# Altium PCB PCB1.PcbDoc (part 4 of 15)
Units mm, origin at the board's own origin, x right, y up, seen from the top; angles counter-clockwise.
Board outline 77.21 x 58.7 mm, 2 copper layers (Top Layer, Bottom Layer); 194 components, 134 nets, 25878 pads, 596 vias.
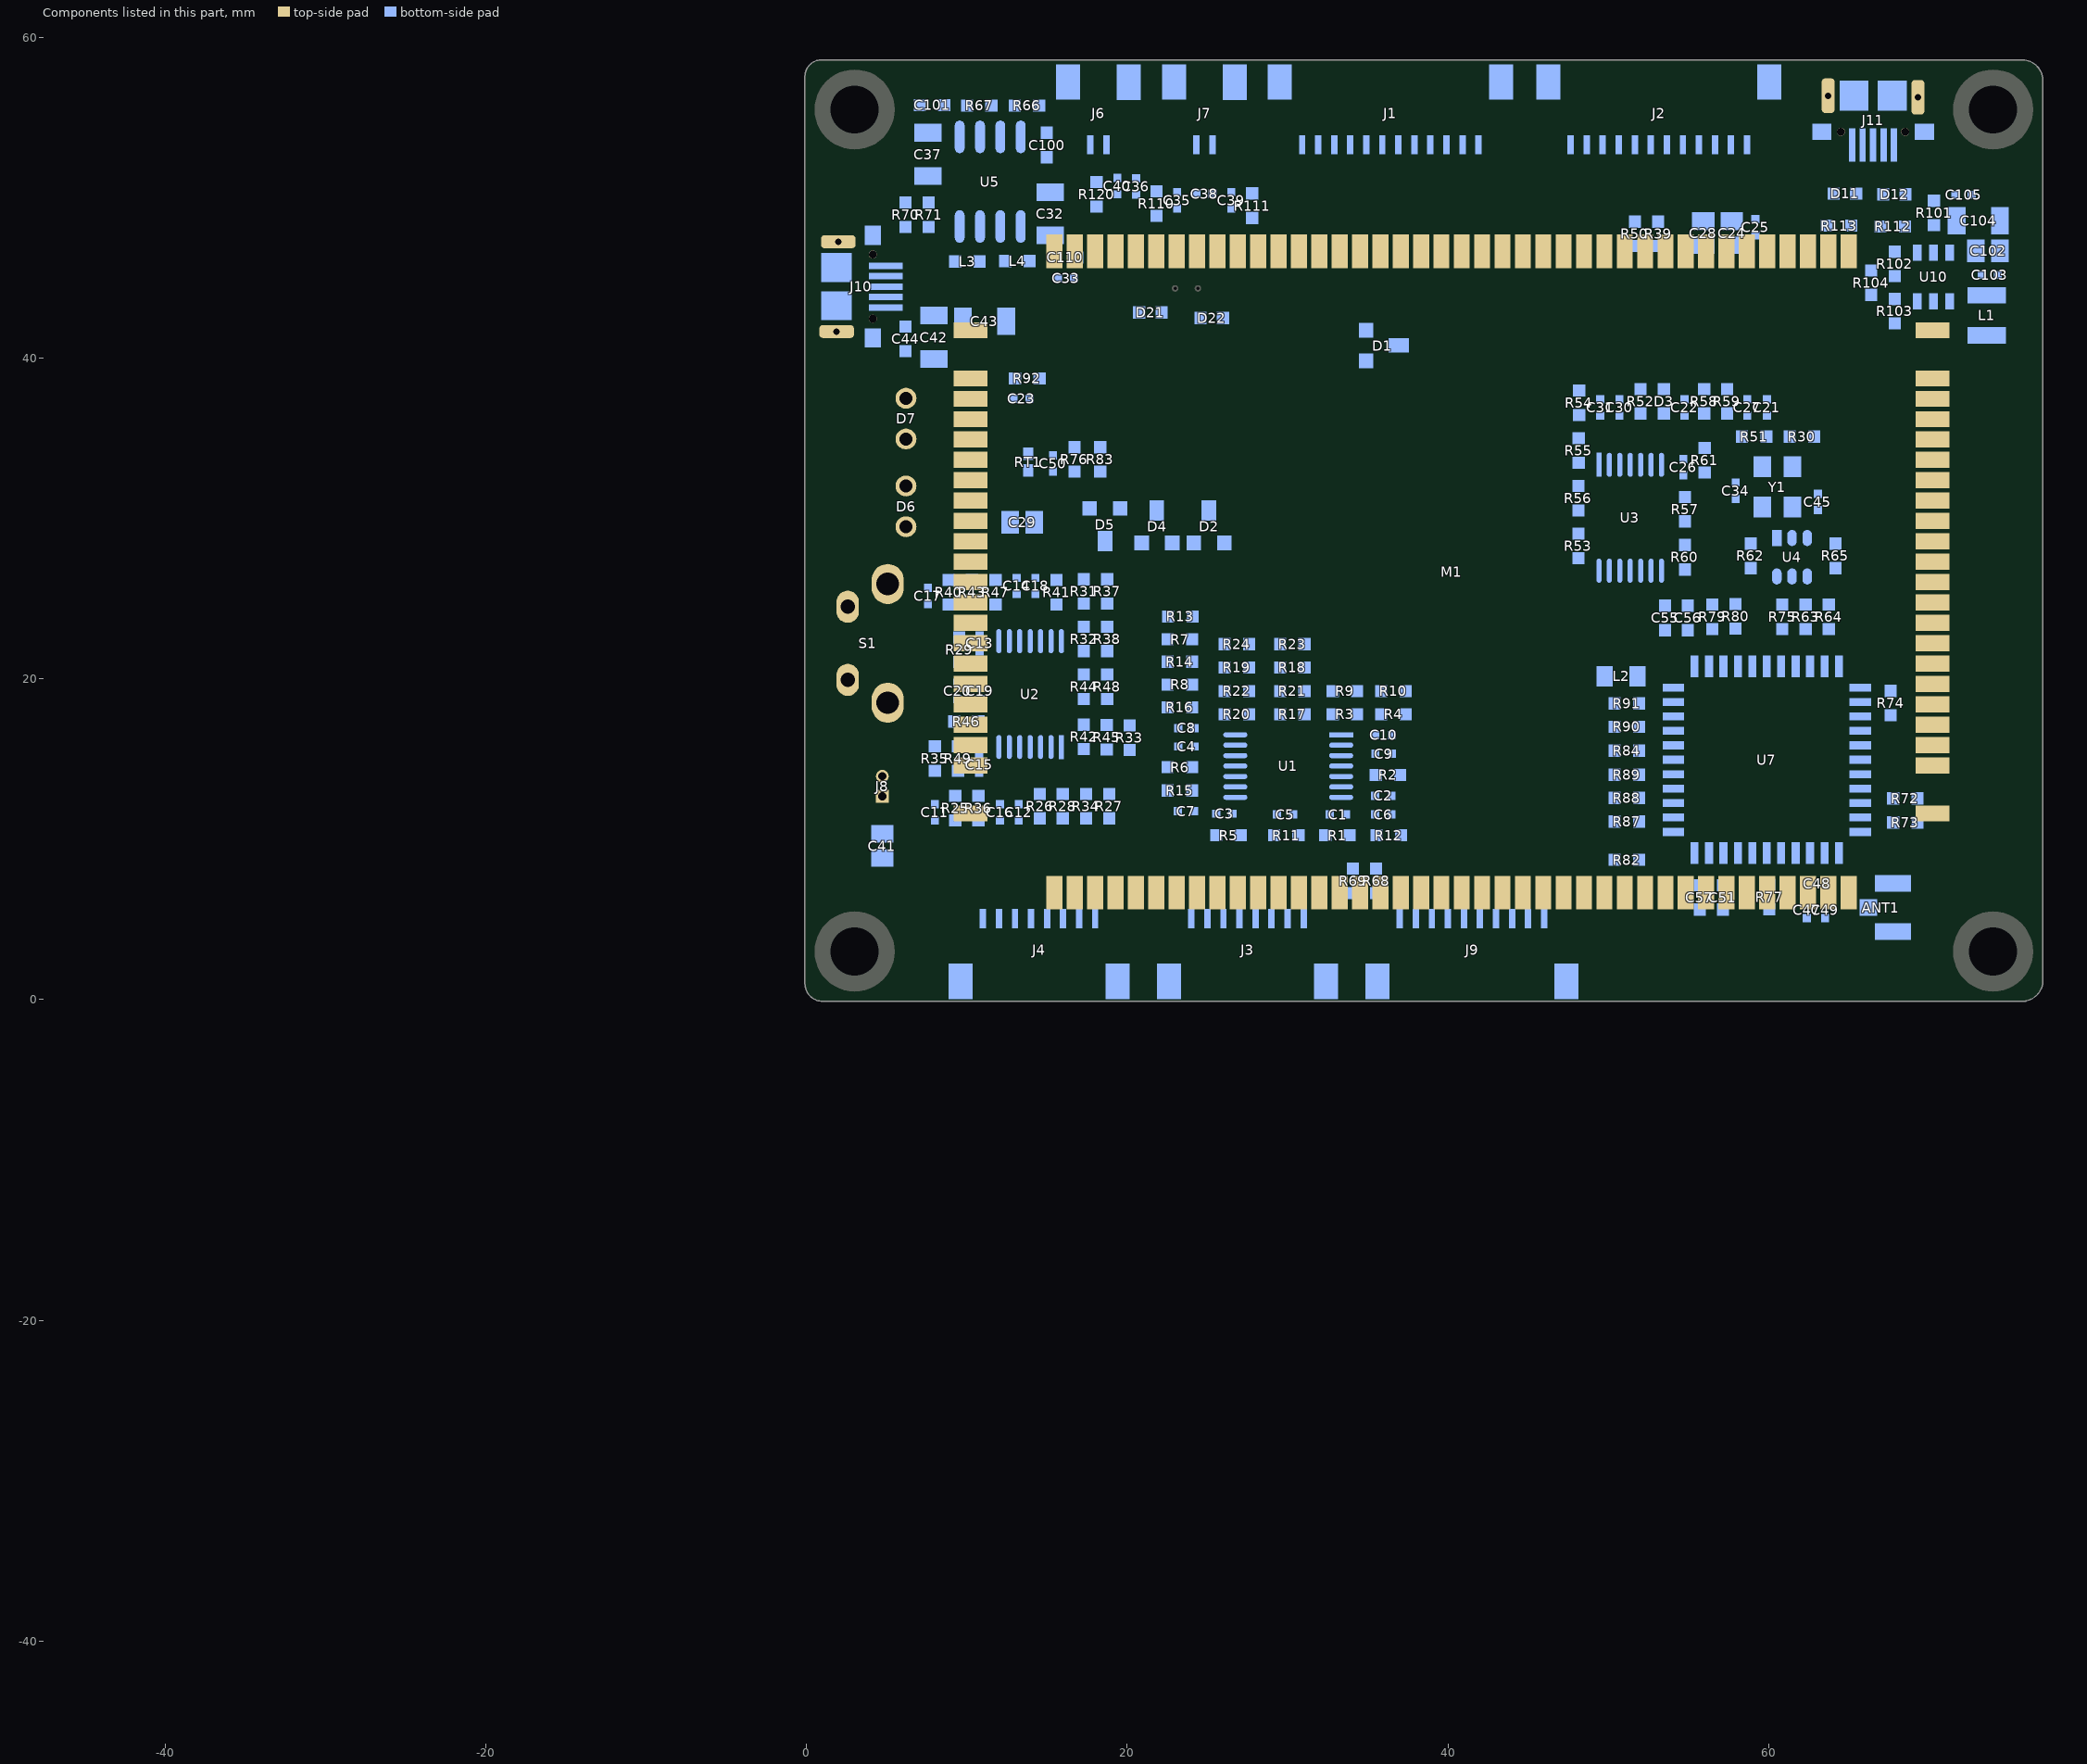
[diagram p4: the components of this part, seen from the top]

## Free pads (board coordinates) (continued)
  round 0 on Mech8: 1(-45.231,-43.967) 1(-45.231,-43.967) 1(-45.231,-43.967) 1(-45.231,-43.967) 1(-45.231,-43.967) 1(-45.231,-43.995) 1(-45.231,-43.995) 1(-45.231,-43.995) 1(-45.231,-43.995) 1(-45.231,-43.995) 1(-45.231,-43.995) 1(-45.231,-44.002) 1(-45.231,-44.002) 1(-45.231,-44.002) 1(-45.231,-44.002) 1(-45.231,-44.002) 1(-45.231,-44.002) 1(-45.231,-44.001) 1(-45.231,-44.001) 1(-45.231,-44.001) 1(-45.231,-44.001) 1(-45.231,-44.001) 1(-45.231,-44.001) 1(-45.231,-44) 1(-45.231,-44) 1(-45.231,-44) 1(-45.231,-44) 1(-45.231,-44) 1(-45.231,-44) 1(-45.231,-43.977) 1(-45.231,-43.977) 1(-45.231,-43.977) 1(-45.231,-43.977) 1(-45.231,-43.977) 1(-45.231,-43.977) 1(-45.231,-43.976) 1(-45.231,-43.976) 1(-45.231,-43.976) 1(-45.231,-43.976) 1(-45.231,-43.976) 1(-45.231,-43.976) 1(-45.231,-43.999) 1(-45.231,-43.999) 1(-45.231,-43.999) 1(-45.231,-43.999) 1(-45.231,-43.999) 1(-45.231,-43.999) 1(-45.231,-43.995) 1(-45.231,-43.995) 1(-45.231,-43.995) 1(-45.231,-43.995) 1(-45.231,-43.995) 1(-45.231,-43.995) 1(-45.231,-43.989) 1(-45.231,-43.989) 1(-45.231,-43.989) 1(-45.231,-44.002) 1(-45.231,-44.002) 1(-45.231,-44.002) 1(-45.231,-44.002) 1(-45.231,-44.002) 1(-45.231,-44.002) 1(-45.231,-44.001) 1(-45.231,-44.001) 1(-45.231,-44.001) 1(-45.231,-44.001) 1(-45.231,-44.001) 1(-45.231,-44.001) 1(-45.231,-44) 1(-45.231,-44) 1(-45.231,-44) 1(-45.231,-44) 1(-45.231,-44) 1(-45.231,-44) 1(-45.23,-43.995) 1(-45.23,-43.995) 1(-45.23,-43.995) 1(-45.23,-43.995) 1(-45.23,-43.995) 1(-45.23,-43.995) 1(-45.23,-44.02) 1(-45.23,-44.02) 1(-45.23,-44.02) 1(-45.23,-44.02) 1(-45.23,-44.02) 1(-45.23,-44.02) 1(-45.23,-43.975) 1(-45.23,-43.975) 1(-45.23,-43.975) 1(-45.23,-43.975) 1(-45.23,-43.975) 1(-45.23,-43.975) 1(-45.23,-43.974) 1(-45.23,-43.974) 1(-45.23,-43.974) 1(-45.23,-43.974) 1(-45.23,-43.974) 1(-45.23,-43.974) 1(-45.23,-43.995) 1(-45.23,-43.995) 1(-45.23,-43.995) 1(-45.23,-43.995) 1(-45.23,-43.995) 1(-45.23,-43.995) 1(-45.23,-43.983) 1(-45.23,-43.983) 1(-45.23,-43.983) 1(-45.23,-43.983) 1(-45.23,-43.983) 1(-45.23,-43.983) 1(-45.23,-43.983) 1(-45.23,-43.983) 1(-45.23,-43.983) 1(-45.23,-43.983) 1(-45.23,-43.983) 1(-45.23,-43.983) 1(-45.23,-43.979) 1(-45.23,-43.979) 1(-45.23,-43.979) 1(-45.23,-43.979) 1(-45.23,-43.979) 1(-45.23,-43.979) 1(-45.23,-43.99) 1(-45.23,-43.99) 1(-45.23,-43.99) 1(-45.23,-43.99) 1(-45.23,-43.99) 1(-45.23,-43.99) 1(-45.23,-43.989) 1(-45.23,-43.989) 1(-45.23,-43.989) 1(-45.23,-43.989) 1(-45.23,-43.989) 1(-45.23,-43.989) 1(-45.23,-43.989) 1(-45.23,-43.989) 1(-45.23,-43.989) 1(-45.23,-43.989) 1(-45.23,-43.989) 1(-45.23,-43.989) 1(-45.23,-43.975) 1(-45.23,-43.975) 1(-45.23,-43.975) 1(-45.23,-43.999) 1(-45.23,-43.999) 1(-45.23,-43.999) 1(-45.23,-43.999) 1(-45.23,-43.999) 1(-45.23,-43.999) 1(-45.23,-43.998) 1(-45.23,-43.998) 1(-45.23,-43.998) 1(-45.23,-43.997) 1(-45.23,-43.997) 1(-45.23,-43.997) 1(-45.23,-43.996) 1(-45.23,-43.996) 1(-45.23,-43.996) 1(-45.23,-43.996) 1(-45.23,-43.996) 1(-45.23,-43.996) 1(-45.23,-43.975) 1(-45.23,-43.975) 1(-45.23,-43.975) 1(-45.23,-43.975) 1(-45.23,-43.975) 1(-45.23,-43.975) 1(-45.23,-43.974) 1(-45.23,-43.974) 1(-45.23,-43.974) 1(-45.23,-43.974) 1(-45.23,-43.974) 1(-45.23,-43.974) 1(-45.23,-43.974) 1(-45.23,-43.974) 1(-45.23,-43.974) 1(-45.23,-44.02) 1(-45.23,-44.02) 1(-45.23,-44.02) 1(-45.23,-44.02) 1(-45.23,-44.02) 1(-45.23,-44.02) 1(-45.23,-44.02) 1(-45.23,-44.02) 1(-45.23,-44.02) 1(-45.23,-44.02) 1(-45.23,-44.02) 1(-45.23,-44.02) 1(-45.23,-43.989) 1(-45.23,-43.989) 1(-45.23,-43.989) 1(-45.23,-43.989) 1(-45.23,-43.989) 1(-45.23,-43.989) 1(-45.23,-43.989) 1(-45.23,-43.989) 1(-45.23,-43.989) 1(-45.23,-43.988) 1(-45.23,-43.988) 1(-45.23,-43.988) 1(-45.23,-43.988) 1(-45.23,-43.988) 1(-45.23,-43.988) 1(-45.23,-43.999) 1(-45.23,-43.999) 1(-45.23,-43.999) 1(-45.23,-43.999) 1(-45.23,-43.999) 1(-45.23,-43.999) 1(-45.23,-43.994) 1(-45.23,-43.994) 1(-45.23,-43.994) 1(-45.23,-43.994) 1(-45.23,-43.994) 1(-45.23,-43.994) 1(-45.23,-43.989) 1(-45.23,-43.989) 1(-45.23,-43.989) 1(-45.23,-43.989) 1(-45.23,-43.989) 1(-45.23,-43.989) 1(-45.23,-43.988) 1(-45.23,-43.988) 1(-45.23,-43.988) 1(-45.23,-43.988) 1(-45.23,-43.988) 1(-45.23,-43.988) 1(-45.23,-43.988) 1(-45.23,-43.988) 1(-45.23,-43.988) 1(-45.23,-43.988) 1(-45.23,-43.988) 1(-45.23,-43.988) 1(-45.23,-43.988) 1(-45.23,-43.988) 1(-45.23,-43.988) 1(-45.23,-43.977) 1(-45.23,-43.977) 1(-45.23,-43.977) 1(-45.23,-43.976) 1(-45.23,-43.976) 1(-45.23,-43.976) 1(-45.23,-44.018) 1(-45.23,-44.018) 1(-45.23,-44.018) 1(-45.23,-44.018) 1(-45.23,-44.018) 1(-45.23,-44.018) 1(-45.23,-44.018) 1(-45.23,-44.018) 1(-45.23,-44.018) 1(-45.23,-44.018) 1(-45.23,-44.018) 1(-45.23,-44.018) 1(-45.23,-44.017) 1(-45.23,-44.017) 1(-45.23,-44.017) 1(-45.23,-44.017) 1(-45.23,-44.017) 1(-45.23,-44.017) 1(-45.229,-44.002) 1(-45.229,-44.002) 1(-45.229,-44.002) 1(-45.229,-44.002) 1(-45.229,-44.002) 1(-45.229,-44.002) 1(-45.229,-44.001) 1(-45.229,-44.001) 1(-45.229,-44.001) 1(-45.229,-44.001) 1(-45.229,-44.001) 1(-45.229,-44.001) 1(-45.229,-44) 1(-45.229,-44) 1(-45.229,-44) 1(-45.229,-44) 1(-45.229,-44) 1(-45.229,-44) 1(-45.229,-43.977) 1(-45.229,-43.977) 1(-45.229,-43.977) 1(-45.229,-43.976) 1(-45.229,-43.976) 1(-45.229,-43.976) 1(-45.229,-43.972) 1(-45.229,-43.972) 1(-45.229,-43.972) 1(-45.229,-43.999) 1(-45.229,-43.999) 1(-45.229,-43.999) 1(-45.229,-43.999) 1(-45.229,-43.999) 1(-45.229,-43.999) 1(-45.229,-43.998) 1(-45.229,-43.998) 1(-45.229,-43.998) 1(-45.229,-43.997) 1(-45.229,-43.997) 1(-45.229,-43.997) 1(-45.229,-43.996) 1(-45.229,-43.996) 1(-45.229,-43.996) 1(-45.229,-43.996) 1(-45.229,-43.996) 1(-45.229,-43.996) 1(-45.229,-44.016) 1(-45.229,-44.016) 1(-45.229,-44.016) 1(-45.229,-43.988) 1(-45.229,-43.988) 1(-45.229,-43.988) 1(-45.228,-43.999) 1(-45.228,-43.999) 1(-45.228,-43.999) 1(-45.228,-43.999) 1(-45.228,-43.999) 1(-45.228,-43.999) 1(-45.228,-43.994) 1(-45.228,-43.994) 1(-45.228,-43.994) 1(-45.228,-43.988) 1(-45.228,-43.988) 1(-45.228,-43.988) 1(-45.228,-44.021) 1(-45.228,-44.021) 1(-45.228,-44.021) 1(-45.228,-44.021) 1(-45.228,-44.021) 1(-45.228,-44.021) 1(-45.228,-44.02) 1(-45.228,-44.02) 1(-45.228,-44.02) 1(-45.228,-44.018) 1(-45.228,-44.018) 1(-45.228,-44.018) 1(-45.228,-44.017) 1(-45.228,-44.017) 1(-45.228,-44.017) 1(-45.228,-44.017) 1(-45.228,-44.017) 1(-45.228,-44.017) 1(-45.228,-43.982) 1(-45.228,-43.982) 1(-45.228,-43.982) 1(-45.228,-43.982) 1(-45.228,-43.982) 1(-45.228,-43.982) 1(-45.228,-43.981) 1(-45.228,-43.981) 1(-45.228,-43.981) 1(-45.228,-43.98) 1(-45.228,-43.98) 1(-45.228,-43.98) 1(-45.228,-43.979) 1(-45.228,-43.979) 1(-45.228,-43.979) 1(-45.228,-43.979) 1(-45.228,-43.979) 1(-45.228,-43.979) 1(-45.228,-43.977) 1(-45.228,-43.977) 1(-45.228,-43.977) 1(-45.228,-43.977) 1(-45.228,-43.977) 1(-45.228,-43.977) 1(-45.228,-43.976) 1(-45.228,-43.976) 1(-45.228,-43.976) 1(-45.228,-43.976) 1(-45.228,-43.976) 1(-45.228,-43.976) 1(-45.228,-43.975) 1(-45.228,-43.975) 1(-45.228,-43.975) 1(-45.228,-43.975) 1(-45.228,-43.975) 1(-45.228,-43.975) 1(-45.228,-43.974) 1(-45.228,-43.974) 1(-45.228,-43.974) 1(-45.228,-43.974) 1(-45.228,-43.974) 1(-45.228,-43.974) 1(-45.227,-44.015) 1(-45.227,-44.015) 1(-45.227,-44.015) 1(-45.227,-44.015) 1(-45.227,-44.015) 1(-45.227,-44.015) 1(-45.227,-44.015) 1(-45.227,-44.015) 1(-45.227,-44.015) 1(-45.227,-44.021) 1(-45.227,-44.021) 1(-45.227,-44.021) 1(-45.227,-44.021) 1(-45.227,-44.021) 1(-45.227,-44.021) 1(-45.227,-44.017) 1(-45.227,-44.017) 1(-45.227,-44.017) 1(-45.227,-44.017) 1(-45.227,-44.017) 1(-45.227,-44.017) 1(-45.227,-43.977) 1(-45.227,-43.977) 1(-45.227,-43.977) 1(-45.227,-43.977) 1(-45.227,-43.977) 1(-45.227,-43.977) 1(-45.227,-43.976) 1(-45.227,-43.976) 1(-45.227,-43.976) 1(-45.227,-43.976) 1(-45.227,-43.976) 1(-45.227,-43.976) 1(-45.227,-43.975) 1(-45.227,-43.975) 1(-45.227,-43.975) 1(-45.227,-43.975) 1(-45.227,-43.975) 1(-45.227,-43.975) 1(-45.227,-43.974) 1(-45.227,-43.974) 1(-45.227,-43.974) 1(-45.227,-43.974) 1(-45.227,-43.974) 1(-45.227,-43.974) 1(-45.227,-43.979) 1(-45.227,-43.979) 1(-45.227,-43.979) 1(-45.227,-44.008) 1(-45.227,-44.008) 1(-45.227,-44.008) 1(-45.227,-44.008) 1(-45.227,-44.008) 1(-45.227,-44.008) 1(-45.227,-44.007) 1(-45.227,-44.007) 1(-45.227,-44.007) 1(-45.227,-44.006) 1(-45.227,-44.006) 1(-45.227,-44.006) 1(-45.227,-44.005) 1(-45.227,-44.005) 1(-45.227,-44.005) 1(-45.227,-44.005) 1(-45.227,-44.005) 1(-45.227,-44.005) 1(-45.227,-43.982) 1(-45.227,-43.982) 1(-45.227,-43.982) 1(-45.227,-43.982) 1(-45.227,-43.982) 1(-45.227,-43.982) 1(-45.227,-43.981) 1(-45.227,-43.981) 1(-45.227,-43.981) 1(-45.227,-43.98) 1(-45.227,-43.98) 1(-45.227,-43.98) 1(-45.227,-43.979) 1(-45.227,-43.979) 1(-45.227,-43.979) 1(-45.227,-43.979) 1(-45.227,-43.979) 1(-45.227,-43.979) 1(-45.227,-44.015) 1(-45.227,-44.015) 1(-45.227,-44.015) 1(-45.227,-44.015) 1(-45.227,-44.015) 1(-45.227,-44.015) 1(-45.227,-44.013) 1(-45.227,-44.013) 1(-45.227,-44.013) 1(-45.227,-44.013) 1(-45.227,-44.013) 1(-45.227,-44.013) 1(-45.227,-44.013) 1(-45.227,-44.013) 1(-45.227,-44.013) 1(-45.227,-44.013) 1(-45.227,-44.013) 1(-45.227,-44.013) 1(-45.227,-44.012) 1(-45.227,-44.012) 1(-45.227,-44.012) 1(-45.227,-44.012) 1(-45.227,-44.012) 1(-45.227,-44.012) 1(-45.226,-43.98) 1(-45.226,-43.98) 1(-45.226,-43.98) 1(-45.226,-43.98) 1(-45.226,-43.98) 1(-45.226,-43.98) 1(-45.226,-43.979) 1(-45.226,-43.979) 1(-45.226,-43.979) 1(-45.226,-43.979) 1(-45.226,-43.979) 1(-45.226,-43.979) 1(-45.226,-43.978) 1(-45.226,-43.978) 1(-45.226,-43.978) 1(-45.226,-43.978) 1(-45.226,-43.978) 1(-45.226,-43.978) 1(-45.226,-43.983) 1(-45.226,-43.983) 1(-45.226,-43.983) 1(-45.226,-43.983) 1(-45.226,-43.983) 1(-45.226,-43.983) 1(-45.226,-43.982) 1(-45.226,-43.982) 1(-45.226,-43.982) 1(-45.226,-43.982) 1(-45.226,-43.982) 1(-45.226,-43.982) 1(-45.226,-43.981) 1(-45.226,-43.981) 1(-45.226,-43.981) 1(-45.226,-43.981) 1(-45.226,-43.981) 1(-45.226,-43.981) 1(-45.226,-43.977) 1(-45.226,-43.977) 1(-45.226,-43.977) 1(-45.226,-43.976) 1(-45.226,-43.976) 1(-45.226,-43.976) 1(-45.226,-43.983) 1(-45.226,-43.983) 1(-45.226,-43.983) 1(-45.226,-43.983) 1(-45.226,-43.983) 1(-45.226,-43.983) 1(-45.226,-43.977) 1(-45.226,-43.977) 1(-45.226,-43.977) 1(-45.226,-43.976) 1(-45.226,-43.976) 1(-45.226,-43.976) 1(-45.226,-44.015) 1(-45.226,-44.015) 1(-45.226,-44.015) 1(-45.226,-44.013) 1(-45.226,-44.013) 1(-45.226,-44.013) 1(-45.226,-44.013) 1(-45.226,-44.013) 1(-45.226,-44.013) 1(-45.226,-44.012) 1(-45.226,-44.012) 1(-45.226,-44.012) 1(-45.225,-43.972) 1(-45.225,-43.972) 1(-45.225,-43.972) 1(-45.225,-44.008) 1(-45.225,-44.008) 1(-45.225,-44.008) 1(-45.225,-44.008) 1(-45.225,-44.008) 1(-45.225,-44.008) 1(-45.225,-44.007) 1(-45.225,-44.007) 1(-45.225,-44.007) 1(-45.225,-44.006) 1(-45.225,-44.006) 1(-45.225,-44.006) 1(-45.225,-44.005) 1(-45.225,-44.005) 1(-45.225,-44.005) 1(-45.225,-44.005) 1(-45.225,-44.005) 1(-45.225,-44.005) 1(-45.225,-43.98) 1(-45.225,-43.98) 1(-45.225,-43.98) 1(-45.225,-43.98) 1(-45.225,-43.98) 1(-45.225,-43.98) 1(-45.225,-43.979) 1(-45.225,-43.979) 1(-45.225,-43.979) 1(-45.225,-43.979) 1(-45.225,-43.979) 1(-45.225,-43.979) 1(-45.225,-43.978) 1(-45.225,-43.978) 1(-45.225,-43.978) 1(-45.225,-43.978) 1(-45.225,-43.978) 1(-45.225,-43.978) 1(-45.225,-43.983) 1(-45.225,-43.983) 1(-45.225,-43.983) 1(-45.225,-43.983) 1(-45.225,-43.983) 1(-45.225,-43.983) 1(-45.225,-43.982) 1(-45.225,-43.982) 1(-45.225,-43.982) 1(-45.225,-43.982) 1(-45.225,-43.982) 1(-45.225,-43.982) 1(-45.225,-43.981) 1(-45.225,-43.981) 1(-45.225,-43.981) 1(-45.225,-43.981) 1(-45.225,-43.981) 1(-45.225,-43.981) 1(-45.225,-43.988) 1(-45.225,-43.988) 1(-45.225,-43.988) 1(-45.225,-43.988) 1(-45.225,-43.988) 1(-45.225,-43.988) 1(-45.225,-43.994) 1(-45.225,-43.994) 1(-45.225,-43.994) 1(-45.225,-43.994) 1(-45.225,-43.994) 1(-45.225,-43.994) 1(-45.225,-43.988) 1(-45.225,-43.988) 1(-45.225,-43.988) 1(-45.225,-43.988) 1(-45.225,-43.988) 1(-45.225,-43.988) 1(-45.225,-43.981) 1(-45.225,-43.981) 1(-45.225,-43.981) 1(-45.225,-43.981) 1(-45.225,-43.981) 1(-45.225,-43.981) 1(-45.225,-43.979) 1(-45.225,-43.979) 1(-45.225,-43.979) 1(-45.225,-43.979) 1(-45.225,-43.979) 1(-45.225,-43.979) 1(-45.225,-44.015) 1(-45.225,-44.015) 1(-45.225,-44.015) 1(-45.225,-44.013) 1(-45.225,-44.013) 1(-45.225,-44.013) 1(-45.225,-44.013) 1(-45.225,-44.013) 1(-45.225,-44.013) 1(-45.225,-44.012) 1(-45.225,-44.012) 1(-45.225,-44.012) 1(-45.225,-43.975) 1(-45.225,-43.975) 1(-45.225,-43.975) 1(-45.225,-43.975) 1(-45.225,-43.975) 1(-45.225,-43.975) 1(-45.225,-43.975) 1(-45.225,-43.975) 1(-45.225,-43.975) 1(-45.225,-43.974) 1(-45.225,-43.974) 1(-45.225,-43.974) 1(-45.225,-43.974) 1(-45.225,-43.974) 1(-45.225,-43.974) 1(-45.225,-43.974) 1(-45.225,-43.974) 1(-45.225,-43.974) 1(-45.225,-43.977) 1(-45.225,-43.977) 1(-45.225,-43.977) 1(-45.225,-43.977) 1(-45.225,-43.977) 1(-45.225,-43.977) 1(-45.225,-43.976) 1(-45.225,-43.976) 1(-45.225,-43.976) 1(-45.225,-43.976) 1(-45.225,-43.976) 1(-45.225,-43.976) 1(-45.224,-44.017) 1(-45.224,-44.017) 1(-45.224,-44.017) 1(-45.224,-44.017) 1(-45.224,-44.017) 1(-45.224,-44.017) 1(-45.224,-43.975) 1(-45.224,-43.975) 1(-45.224,-43.975) 1(-45.224,-43.975) 1(-45.224,-43.975) 1(-45.224,-43.975) 1(-45.224,-43.974) 1(-45.224,-43.974) 1(-45.224,-43.974) 1(-45.224,-43.974) 1(-45.224,-43.974) 1(-45.224,-43.974) 1(-45.224,-43.977) 1(-45.224,-43.977) 1(-45.224,-43.977) 1(-45.224,-43.977) 1(-45.224,-43.977) 1(-45.224,-43.977) 1(-45.224,-43.976) 1(-45.224,-43.976) 1(-45.224,-43.976) 1(-45.224,-43.976) 1(-45.224,-43.976) 1(-45.224,-43.976) 1(-45.224,-43.974) 1(-45.224,-43.974) 1(-45.224,-43.974) 1(-45.224,-43.974) 1(-45.224,-43.974) 1(-45.224,-43.974) 1(-45.224,-44.021) 1(-45.224,-44.021) 1(-45.224,-44.021) 1(-45.224,-44.021) 1(-45.224,-44.021) 1(-45.224,-44.021) 1(-45.224,-44.017) 1(-45.224,-44.017) 1(-45.224,-44.017) 1(-45.224,-44.017) 1(-45.224,-44.017) 1(-45.224,-44.017) 1(-45.224,-44.015) 1(-45.224,-44.015) 1(-45.224,-44.015) 1(-45.224,-44.015) 1(-45.224,-44.015) 1(-45.224,-44.015) 1(-45.224,-44.013) 1(-45.224,-44.013) 1(-45.224,-44.013) 1(-45.224,-44.013) 1(-45.224,-44.013) 1(-45.224,-44.013) 1(-45.224,-44.013) 1(-45.224,-44.013) 1(-45.224,-44.013) 1(-45.224,-44.013) 1(-45.224,-44.013) 1(-45.224,-44.013) 1(-45.224,-44.012) 1(-45.224,-44.012) 1(-45.224,-44.012) 1(-45.224,-44.012) 1(-45.224,-44.012) 1(-45.224,-44.012) 1(-45.223,-43.972) 1(-45.223,-43.972) 1(-45.223,-43.972) 1(-45.223,-43.972) 1(-45.223,-43.972) 1(-45.223,-43.972) 1(-45.223,-43.967) 1(-45.223,-43.967) 1(-45.223,-43.967) 1(-45.223,-43.967) 1(-45.223,-43.967) 1(-45.223,-43.967) 1(-45.223,-43.977) 1(-45.223,-43.977) 1(-45.223,-43.977) 1(-45.223,-43.977) 1(-45.223,-43.977) 1(-45.223,-43.977) 1(-45.223,-43.976) 1(-45.223,-43.976) 1(-45.223,-43.976) 1(-45.223,-43.976) 1(-45.223,-43.976) 1(-45.223,-43.976) 1(-45.223,-43.974) 1(-45.223,-43.974) 1(-45.223,-43.974) 1(-45.223,-43.974) 1(-45.223,-43.974) 1(-45.223,-43.974) 1(-45.223,-43.975) 1(-45.223,-43.975) 1(-45.223,-43.975) 1(-45.223,-43.975) 1(-45.223,-43.975) 1(-45.223,-43.975) 1(-45.223,-43.975) 1(-45.223,-43.975) 1(-45.223,-43.975) 1(-45.223,-43.975) 1(-45.223,-43.975) 1(-45.223,-43.975) 1(-45.223,-43.974) 1(-45.223,-43.974) 1(-45.223,-43.974) 1(-45.223,-43.974) 1(-45.223,-43.974) 1(-45.223,-43.974) 1(-45.222,-43.981) 1(-45.222,-43.981) 1(-45.222,-43.981) 1(-45.222,-43.981) 1(-45.222,-43.981) 1(-45.222,-43.981) 1(-45.222,-43.98) 1(-45.222,-43.98) 1(-45.222,-43.98) 1(-45.222,-43.98) 1(-45.222,-43.98) 1(-45.222,-43.98) 1(-45.222,-43.98) 1(-45.222,-43.98) 1(-45.222,-43.98) 1(-45.222,-43.98) 1(-45.222,-43.98) 1(-45.222,-43.98) 1(-45.222,-43.979) 1(-45.222,-43.979) 1(-45.222,-43.979) 1(-45.222,-43.979) 1(-45.222,-43.979) 1(-45.222,-43.979) 1(-45.222,-43.984) 1(-45.222,-43.984) 1(-45.222,-43.984) 1(-45.222,-43.983) 1(-45.222,-43.983) 1(-45.222,-43.983) 1(-45.222,-43.983) 1(-45.222,-43.983) 1(-45.222,-43.983) 1(-45.222,-43.98) 1(-45.222,-43.98) 1(-45.222,-43.98) 1(-45.221,-43.98) 1(-45.221,-43.98) 1(-45.221,-43.98) 1(-45.221,-43.98) 1(-45.221,-43.98) 1(-45.221,-43.98) 1(-45.221,-43.98) 1(-45.221,-43.98) 1(-45.221,-43.98) 1(-45.221,-43.98) 1(-45.221,-43.98) 1(-45.221,-43.98) 1(-45.221,-43.979) 1(-45.221,-43.979) 1(-45.221,-43.979) 1(-45.221,-43.979) 1(-45.221,-43.979) 1(-45.221,-43.979) 1(-45.218,-43.984) 1(-45.218,-43.984) 1(-45.218,-43.984) 1(-45.218,-43.983) 1(-45.218,-43.983) 1(-45.218,-43.983) 1(-45.218,-43.983) 1(-45.218,-43.983) 1(-45.218,-43.983) 1(-45.218,-43.98) 1(-45.218,-43.98) 1(-45.218,-43.98)
  round 0 on Mech9: 1(-45.294,-44.024) 1(-45.294,-44.024) 1(-45.294,-44.024) 1(-45.294,-44.024) 1(-45.294,-44.024) 1(-45.294,-44.024) 1(-45.294,-43.97) 1(-45.294,-43.97) 1(-45.294,-43.97) 1(-45.294,-43.97) 1(-45.294,-43.97) 1(-45.294,-43.97) 1(-45.294,-43.969) 1(-45.294,-43.969) 1(-45.294,-43.969) 1(-45.294,-43.969) 1(-45.294,-43.969) 1(-45.294,-43.969) 1(-45.294,-43.967) 1(-45.294,-43.967) 1(-45.294,-43.967) 1(-45.294,-43.967) 1(-45.294,-43.967) 1(-45.294,-43.967) 1(-45.293,-43.966) 1(-45.293,-43.966) 1(-45.293,-43.966) 1(-45.293,-43.966) 1(-45.293,-43.966) 1(-45.293,-43.966) 1(-45.293,-44.025) 1(-45.293,-44.025) 1(-45.293,-44.025) 1(-45.293,-44.025) 1(-45.293,-44.025) 1(-45.293,-44.025) 1(-45.264,-44.001) 1(-45.264,-44.001) 1(-45.264,-44.001) 1(-45.264,-44.001) 1(-45.264,-44.001) 1(-45.264,-44.001) 1(-45.264,-43.987) 1(-45.264,-43.987) 1(-45.264,-43.987) 1(-45.264,-43.987) 1(-45.264,-43.987) 1(-45.264,-43.987) 1(-45.25,-44.001) 1(-45.25,-44.001) 1(-45.25,-44.001) 1(-45.25,-44.001) 1(-45.25,-44.001) 1(-45.25,-44.001) 1(-45.25,-43.987) 1(-45.25,-43.987) 1(-45.25,-43.987) 1(-45.25,-43.987) 1(-45.25,-43.987) 1(-45.25,-43.987) 1(-45.218,-44.025) 1(-45.218,-44.025) 1(-45.218,-44.025) 1(-45.218,-44.025) 1(-45.218,-44.025) 1(-45.218,-44.025) 1(-45.217,-44.024) 1(-45.217,-44.024) 1(-45.217,-44.024) 1(-45.217,-43.97) 1(-45.217,-43.97) 1(-45.217,-43.97) 1(-45.217,-43.97) 1(-45.217,-43.97) 1(-45.217,-43.97) 1(-45.217,-43.969) 1(-45.217,-43.969) 1(-45.217,-43.969) 1(-45.217,-43.969) 1(-45.217,-43.969) 1(-45.217,-43.969) 1(-45.217,-43.968) 1(-45.217,-43.968) 1(-45.217,-43.968) 1(-45.217,-43.968) 1(-45.217,-43.968) 1(-45.217,-43.968) 1(-45.217,-44.024) 1(-45.217,-44.024) 1(-45.217,-44.024)